# Allegro board RK_EVB1_RK3576_LP4XD200P132SD6_V12_20240530YWQ.brd (continued)
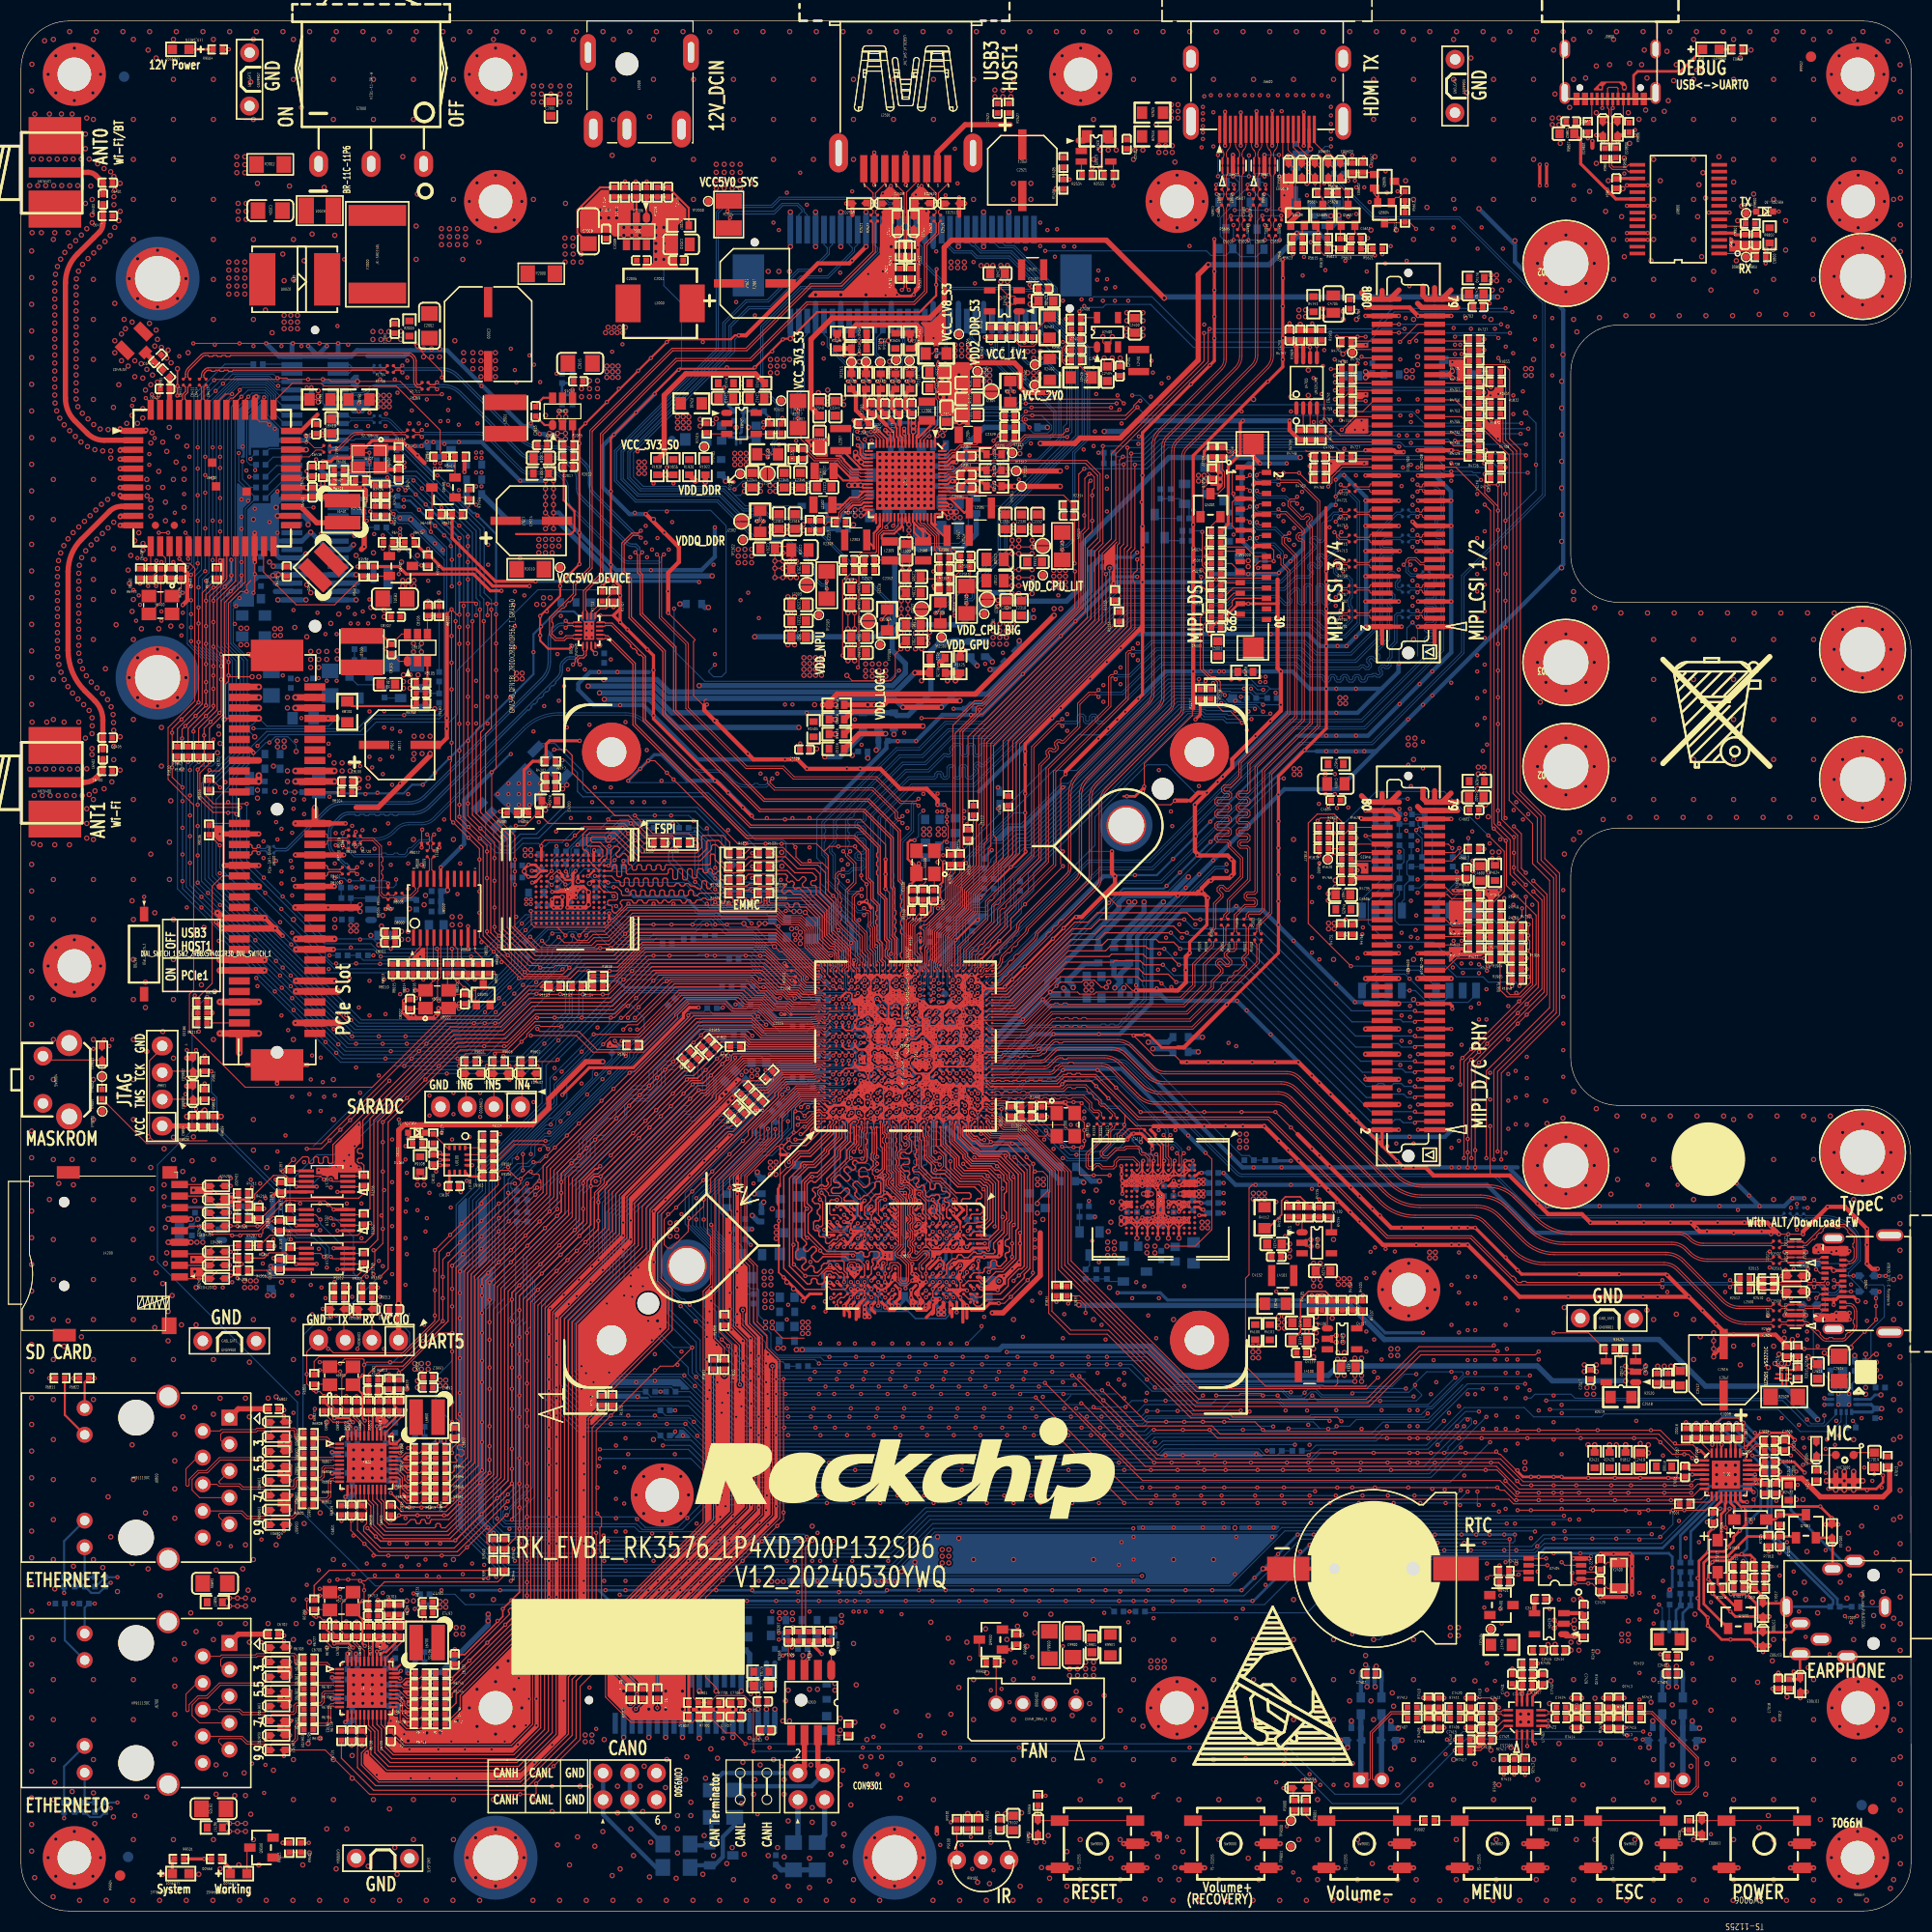
[diagram p0: board, top side]
## Nets (continued)
WIFI_PCIE0_REFCLKN: C6417.2 R1714.2
WIFI_PCIE0_REFCLKP: C6416.2 R1716.2
WIFI_PCIE0_RXN: C6412.2 R1709.2
WIFI_PCIE0_RXP: C6411.2 R1711.2
WIFI_PCIE0_TXN: C6414.2 R1706.2
WIFI_PCIE0_TXP: C6413.2 R1704.2
WIFI_REG_ON_H: R1818.2 R6521.1 U6400.15(WL_REG_ON)
WIFI_WAKE_HOST_H: R1118.2 R6519.1 U6400.16(WL_HOST_WAKE)
WIFIBT_32KIN_2T2R: C6421.1 R6403.2 R6405.2 R6406.1 U6400.31(LPO)
XIN_24M: C1101.1 R1101.2 U1000.U28(OSC_XIN) Y1100.3(X2)
XIN_WIFI: C6408.1 U6400.13(XTAL_IN) Y6400.3(X2)
XOUT_24M: R1100.2 R1101.1 U1000.U29(OSC_XOUT)
XOUT_WIFI: R6400.2 U6400.14(XTAL_OUT)
ZQ_A: R1200.2 U1000.1R6(ZQ_A)
ZQ_B: R1201.1 U1000.1J6(ZQ_B)
N15661080: C2361.2 D2301.2(K) R2330.1
N15663308: TP2318.1 U2300.16((PWRCTRL3)SO)
N16483578: C7400.2 R7401.1
N16483700: C7404.2 R7402.1
N16485789: C7407.2 R7403.1
N16485911: C7411.2 R7404.1
N16706184: C5003.1 C5004.1 Q5000.3(DRAIN) R5019.1
N16706292: C5007.2 Q5000.1(GATE) R5020.2 R5023.1
N16706432: Q5002.3(COLLECTOR) R5023.2
N16706484: Q5002.1(BASE) R5025.2 R5027.1
N17044498: ANT6401.1(ANT) C6401.1 C6403.1
N17044505: C6403.2 C6410.1 U6400.2(WL_BT_ANT0)
N17060459: J9800.A5(CC1) R9806.2
N17060477: J9800.B5(CC2) R9807.2
N17371483: LED9800.2(CATHODE) R9803.1
N17371563: D9800.1(A) R9800.2 TP9801.1 U9800.5(RXD)
N17371607: R9801.2 TP9800.1 U9800.1(TXD)
N18403355: D5601.2(K) R5614.1 R5620.1
N18403356: Q5605.2(SOURCE) R5613.2 R5615.2
N18403367: C5611.2 Q5607.2(SOURCE) R5619.2 R5621.2
N18403519: Q5608.2(SOURCE) R5622.2 R5623.2
N18403564: C5611.1 Q5607.1(GATE) R5618.2
N18403582: Q5606.1(GATE) R5616.1 R5617.1
N18403585: Q5604.1(GATE) Q5606.3(DRAIN) R5612.2
N18428860: Q5600.3(DRAIN) R5600.2 R5601.2
N18429284: Q5601.3(DRAIN) R5602.2 R5603.2
N18429290: Q5602.3(DRAIN) R5604.2 R5605.2
N18429296: Q5603.3(DRAIN) R5606.2 R5607.2
N18483700: L6401.1 U6400.28(ASR_VLX)
N18483702: C6420.1 L6401.2 U6400.29(ABUCK_1P12)
N18483764: ANT6402.1(ANT) C6404.1 C6406.1
N18483767: C6406.2 C6407.1 U6400.48(BT_ANT)
N18483775: C6402.2 C6405.2 U6400.9(WL_ANT1)
N18483793: C6409.1 R6400.1 Y6400.1(X1)
N18483810: L6400.2 U6400.26(CSR_VLX)
N18483812: C6415.1 L6400.1 U6400.25(CBUCK_0P9)
N18669719: C7015.1 R7007.2 R7008.1
N18671983: ED7003.1 J7000.6(DETB) R7012.2
N19347246: C1100.1 R1100.1 Y1100.1(X1)
N19625788: R1353.1 U1000.1B21(I3C1_SDA_PU_M1 | --         | SPI0_CLK_M1  | I2C5_SCL_M0 | --            | UART5_TX_M2 | TEST_CLK_OUT | SAI3_SCLK_M3 | --            | FSPI1_CLK_M0  | SDMMC0_CLK | GPIO2_A5_D)
N19625800: R1310.1 U1000.1G23(PWM2_CH7_M1 | --         | --            | --            | PDM0_CLK0_M1 | SAI0_SDI1_M2 | SAI0_SDO3_M2 | FSPI0_CLK  | EMMC_CLK  | GPIO1_B1_D)
N19628194: R1911.1 U1000.1D18(PWM2_CH6_M2 | I3C1_SDA_PU_M0  | --               | --            | UART9_RTSN_M0  | SPDIF_RX0_M2 | SAI3_MCLK_M2 | ETH0_MCLK_M1        | ETH_CLK1_25M_OUT_M0 | CAM_CLK1_OUT_M1      | GPIO2_D6_D)
N19628195: R1949.1 U1000.1E15(PWM2_CH7_M2 | --              | --               | SPI3_CSN1_M0  | UART9_CTSN_M0  | SPDIF_TX0_M2 | SAI0_SDO3_M0 | ETH_CLK0_25M_OUT_M1 | ETH1_MCLK_M0        | CAM_CLK2_OUT_M1      | GPIO2_D7_D)
N19628229: R1951.1 U1000.1E7(PWM2_CH7_M3 | --             | SPI3_CSN1_M1   | UART5_RTSN_M0  | FLEXBUS1_CSN_M1 | FLEXBUS1_D12_M0 | FLEXBUS0_D15_M0 | DSMC_RESETN | SAI4_SCLK_M1 | CAM_CLK0_OUT_M0     | VO_EBC_SDOE   | VO_LCDC_CLK   | GPIO3_D7_D)
N19628230: R1952.1 U1000.1B12(MIPI_TE_M2  | I2C7_SCL_M2    | SPI1_CSN1_M2   | UART3_TX_M1    | FLEXBUS1_CSN_M3 | FLEXBUS1_D14_M0 | FLEXBUS0_D13_M0 | DSMC_INT0   | SAI4_LRCK_M1 | CAM_CLK1_OUT_M0     | SPDIF_RX0_M1  | --            | GPIO4_A0_D)
N19628231: R1953.1 U1000.1B7(--          | I2C7_SDA_M2    | --             | UART3_RX_M1    | FLEXBUS0_CSN_M1 | FLEXBUS1_D13_M0 | FLEXBUS0_D14_M0 | DSMC_INT2   | SAI4_SDO_M1  | CAM_CLK2_OUT_M0     | SPDIF_TX0_M1  | VO_POST_EMPTY | GPIO4_A1_D)
N19907553: R2412.2 R2414.1 U2403.4(EN)
N19907557: R2415.1 U2403.3(OCB)
N20226536: IR9100.1(IR) R9100.2 R9101.2
N20896547: R8035.2 R8036.1 U8001.3(EN)
N20896553: C8009.1 U8001.4(BP)
N21004058: C1301.1 R1300.2 Y1300.1(X1)
N21504287: ANT6400.1(ANT) C6400.2 C6402.1
N21605064: LED9500.2(CATHODE) Q9500.3(COLLECTOR)
N21735609: C2522.1 R2525.2 R2526.1 R2528.2 U2503.5(IN)
N21735612: R2534.1 U2503.3(OCB)
N21756849: C2004.1 R2001.2
N21863806: LED9500.1(ANODE) R9500.2
N21902615: R3802.2 U3800.A5(ZQ0)
N21902619: R3804.2 U3800.A8(ZQ1)
N21903225: R4004.2 R4005.1 U4000.H5(DATA STROBE)
N22358067: C2420.2 U2405.1(OSCI) Y2400.1
N22358147: C2422.2 U2405.2(OSCO) Y2400.2
N22363373: D2400.1(A1) J2400.1
N22367430: R2524.1 U2502.3(OCB)
N22367501: L2500.4 R2510.1 R2512.2
N22367504: L2500.2 R2513.2 R2516.1
N22367533: L2501.2 R2529.1 R2530.2
N22367536: L2501.4 R2531.2 R2532.1
N22367651: C2503.1 C2504.1 R2501.2 U2500.12(VCONN_12) U2500.13(VCONN_13)
N22631222: C4121.1 U4100.A9(VDDI)
N22631304: C4122.1 U4100.A3(VDDIQ)
N22631340: C4123.1 U4100.A8(VDDIQ2)
N22847211: C6702.1 J6700.1(TCT)
N22847339: J6700.12(G-) R6711.2
N22847343: J6700.14(Y+) R6712.2 R6714.2
N22847361: J6700.13(Y-) R6715.2 R6716.2
N22908541: C6802.1 J6800.1(TCT)
N22908545: J6800.12(G-) R6811.2
N22908547: J6800.14(Y+) R6812.2 R6814.2
N22908550: J6800.13(Y-) R6815.2 R6816.2
N23443278: C7012.2 Q7000.3(DRAIN) R7006.1
N23443310: C7016.1 Q7000.1(GATE) Q7001.1(GATE) R7010.2
N23443315: C7013.2 Q7001.3(DRAIN) R7005.1
N23447614: R7001.2 U7000.8(ASDOUT)
N24505996: R2002.1 S2000.3(P3)
N25539706: C9307.1 R9308.2 U9300.4(RXD)
N25926738: L2401.1 U2401.3(LX)
N25926882: C2409.1 R2406.2 U2401.1(EN)
N25926888: C2402.2 R2403.2 R2407.1 U2401.5(FB/OUT)
N26170680: CON4700.45(MIPI_RX0_I2C_SDA/SPI0_MOSI) R4728.2
N26170681: CON4700.47(MIPI_RX0_I2C_SCL/SPI0_SCLK) R4729.2
N26170683: CON4700.51(MIPI_RX0_PDN0/MIPI_RX_INT) R4730.2
N26170688: C4702.1 C4703.1 CON4700.77(5V_0) CON4700.79(5V_1) R4740.2
N26170689: CON4700.65(MIPI_RX0_PWREN) R4734.2
N26170694: CON4700.67(IRCUT_A0/SAI_SDI2) R4736.2
N26170696: CON4700.69(IRCUT_B0/SAI_SDI1) R4737.2
N26170702: C4700.1 C4701.1 CON4700.61(1.8V) R4738.2
N26170709: C4706.1 C4707.1 CON4700.62(3.3V) R4739.1
N26170720: C4704.1 C4705.1 CON4700.80(12V) R4741.1
N26170731: CON4700.55(MIPI_RX0_PDN1/HOTPLUG_DET) R4732.2
N26170771: CON4700.52(MIPI_RX1_PDN0) R4731.1
N26170778: CON4700.66(MIPI_RX1_PWREN) R4735.1
N26170844: CON4700.41(MIPI_RX0_MCLK1) R4726.2
N26174755: CON4700.42(MIPI_RX1_MCLK1) R4727.1
N26174908: CON4700.56(MIPI_RX1_PDN1) R4733.1
N27106033: R1712.2 U1700.7(/OE)
N27236900: CON4600.45(MIPI_RX0_I2C_SDA/SPI0_MOSI) R4611.2
N27236901: CON4600.47(MIPI_RX0_I2C_SCL/SPI0_SCLK) R4612.2
N27236903: CON4600.51(MIPI_RX0_PDN0/MIPI_RX_INT) R4613.2
N27236908: C4602.1 C4603.1 CON4600.77(5V_0) CON4600.79(5V_1) R4626.2
N27236909: CON4600.65(MIPI_RX0_PWREN) R4617.2
N27236910: CON4600.57(MIPI_RX0_XVS/FSIN/SPI0_CSN) R4614.2 R4615.2
N27236914: CON4600.67(IRCUT_A0/SAI_SDI2) R4618.2
N27236916: CON4600.69(IRCUT_B0/SAI_SDI1) R4619.2
N27236922: C4600.1 C4601.1 CON4600.61(1.8V) R4624.2
N27236930: C4606.1 C4607.1 CON4600.62(3.3V) R4625.1
N27236940: C4604.1 C4605.1 CON4600.80(12V) R4627.1
N27236955: CON4600.59(MIPI_RX0_XHS/VSYNC/SPI0_MISO) R4616.2
N27729459: C8112.1 C8113.1 Q8100.3(DRAIN) R8112.1
N27729467: C8110.2 Q8100.1(GATE) R8113.2 R8115.1
N27729468: R8111.2 U8100.B31(PRSNT2#_2)
N27729484: Q8101.1(BASE) R8117.2 R8118.1
N27729517: C8103.2 L8100.1 U8101.6(SW)
N27729534: C8103.1 U8101.1(BOOT)
N27729543: C8106.1 R8102.2 U8101.4(EN)
N27729546: C8104.2 R8101.2 R8105.1 U8101.3(FB)
N27738708: Q8101.3(COLLECTOR) R8115.2
N28024952: R9000.2 SW9000.2 SW9000.3 TP9000.1
N28024963: ED9002.1 R9005.2 SW9005.2 SW9005.3
N28024980: ED9003.1 R9006.2 SW9006.2 SW9006.3
N28024997: R9001.2 R9002.1 SW9001.2 SW9001.3
N28025008: R9002.2 R9003.1 SW9002.2 SW9002.3
N28025020: R9003.2 SW9003.2 SW9003.3
N28025034: ED9001.1 R9004.2 SW9004.1 TP9002.1
N28026868: C7019.1 MIC7000.1(VDD) R7013.2
N28185504: L2400.1 U2400.3(LX)
N28185677: C2408.1 R2405.2 U2400.1(EN)
N28185687: C2403.2 R2404.2 R2408.1 U2400.5(FB/OUT)
N28229320: C2005.2 L2000.1 U2000.5(SW)
N28229378: C2005.1 U2000.6(BOOT)
N28229495: C2012.1 R2005.2 R2008.1 U2000.2(EN)
N28229497: C2006.2 R2006.2 R2009.1 U2000.1(FB)
N28240818: C2013.1 L2001.1 U2001.6(SW)
N28240876: C2013.2 U2001.1(BOOT)
N28241009: C2020.1 R2011.2 R2014.1 R2016.2 U2001.4(EN)
N28241013: C2017.2 R2012.2 R2015.1 U2001.3(FB)
N28249989: CON9900.4(3V3) R9900.2
N28250025: C9900.1 C9901.1 F9900.1 R9901.2
N28250035: CON9900.2(RX) F9900.2
N28324558: R4203.1 U4200.3(OCB)
N29370316: CON9304.2 ED9303.1 R9313.2
N29370353: CON9304.3 ED9302.1 R9314.2
N29404220: Q9500.1(BASE) R9502.2 R9503.1
N29548779: C2515.1 R2515.1 R2518.1 U2501.C1(OVLO)
N29652995: C9103.1 U9100.11(REGOUT)
N29797152: R4100.2 R4101.2 R4102.1
N29797202: L4100.1 U4101.3(LX)
N29797204: C4117.1 C4118.1 C4119.1 L4100.2 R4101.1 R4103.1 R4104.1
N29797351: R4105.2 R4106.1 U4101.1(EN)
N29797357: C4117.2 R4103.2 R4104.2 R4107.1 U4101.5(FB/OUT)
N29797482: L4101.1 U4102.3(LX)
N29797633: C4130.2 R4113.2 R4114.1 U4102.5(FB/OUT)
N29801091: C4125.2 Q4100.1(GATE) R4109.2 R4110.1
N29801183: Q4101.3(COLLECTOR) R4110.2
N29801225: C4128.1 Q4101.1(BASE) R4111.2
N29873292: R4201.2 R4202.1 U4200.4(EN)
N29928807: R6401.2 U6400.19(BT_PCM_OUT)
N30210978: R1839.1 R1840.1 R1841.1 SW1800.8(B1)
N30211043: R1843.1 R1844.1 R1847.1 SW1800.6(B3)
N30211111: R1849.1 R1850.1 R1852.1 SW1800.5(B4)
N30279606: C3845.1 Q3800.1(GATE) R3810.2 R3811.1
N30279662: Q3801.3(DRAIN) R3811.2
N30315765: C8002.1 U8000.5(X1) Y8000.1(X1)
N30315801: C8003.1 R8019.1 Y8000.3(X2)
N30315805: R8019.2 U8000.6(X2)
N30315903: R8029.1 U8000.10(IREF)
N30317722: Q8000.3(DRAIN) R8028.2
N30401664: ED9300.1 R9301.2 R9315.1
N30401678: ED9300.2 R9302.2 R9316.1
N30528799: LED9501.1(ANODE) R9501.2
N30581382: C2416.1 R2418.2 U2404.3(EN)
N30581388: C2417.1 U2404.4(BP)
N30718271: CON4600.73(AF_SPI_MOSI/SAI_LRCK) R4622.2
N30718340: CON4600.70(SAI_MCLK) R4620.1
N30718343: CON4600.72(AF_SPI_CSN/SAI_SCLK) R4621.1
N30718350: CON4600.74(AF_SPI_MISO/SAI_SDI0/SPDIF_RX) R4623.1 R4628.1
N31011189: C6506.1 C6507.1 CON6500.3(3V3_1) CON6500.5(3V3_2) R6511.1 R6512.1
N31011623: C6504.1 C6505.1 CON6500.4(12V_1) CON6500.6(12V_2) R6510.2
N31051397: CON6500.57(SOC_PCM_IN) R6500.1
N31339553: R2411.2 R2413.1 R2416.2 U2402.B2(ON)
N31344489: FB7400.1 U7400.8(OUTN)
N31344544: C7401.2 U7400.2(VREF)
N31344597: C7403.1 R7401.2 U7400.3(INN)
N31344662: C7403.2 R7402.2 U7400.4(INP)
N31344668: FB7401.1 U7400.5(OUTP)
N31367008: C7410.1 R7403.2 U7401.3(INN)
N31367020: C7410.2 R7404.2 U7401.4(INP)
N31367085: FB7402.1 U7401.8(OUTN)
N31367111: C7408.2 U7401.2(VREF)
N31367151: FB7403.1 U7401.5(OUTP)
N31432371: R6407.2 Y6401.1(ON/OFF)
N31479995: C7416.1 R7406.2 R7407.1 R7408.1
N31480252: C7420.2 R7410.2 R7411.2 R7412.1
N31480374: R7413.2 U7402.2(PDM_DATA)
N31480386: C7426.1 R7414.2 R7415.1 R7416.1
N31480494: C7427.1 R7417.2 U7402.16(I2C_CCLK)
N31480503: C7428.1 R7418.2 U7402.15(I2C_CDATA)
N31480515: C7432.1 U7402.9(REFP)
N31480569: C7431.1 U7402.12(REFQ)
N31480684: C7430.2 R7419.2 R7420.2 R7421.1
N31701621: CON4600.68(SPDIF_TX/SAI_SDI3) TP4600.1
N31701650: CON4700.68(SPDIF_TX/SAI_SDI3) TP4700.1
N32472831: CON9301.3 R9307.1
N32472833: C9305.1 R9307.2 R9309.2
N32472886: CON9301.1 R9309.1
N33117735: D9100.2(K) R9109.2 R9110.2 U9100.4(INT1)
N33161409: C4710.1 R4767.2 U4700.7(VREF2) U4700.8(EN)
N33161501: R4768.2 U4700.2(VREF1)
N33161928: Q5001.1(BASE) R5022.2 R5026.1
N33164794: Q6400.1(BASE) R6411.2 R6416.1
N33165565: Q6401.1(BASE) R6412.2 R6417.1
N33187423: LED9502.1(ANODE) R9504.2
N34130663: Q9900.3(DRAIN) R9900.1
N35260673: R4115.2 R4116.1 U4102.1(EN)
N68738598: R9310.1 U9300.8(STB)
N68738630: C9308.1 R9306.2 U9300.1(TXD)

Pads without a net: CON4600 4 6 10 12 16 18 22 24 28 30 33 34 35 36 40 41 42 46 48 49 50 53 54 55 56 58 60 63 64 71; CON4700 49 50 53 54 63 64; CON6500 10 12 13 16 17 19 27; CON7700 12 13 14 17 18 21 22 25 26 39 40; CON9700 56 58 60; CON9900 3; J9800 29 30 A8 B8; M9900 1; M9901 1; M9902 1; M9903 1; M9904 1; M9905 1; SW1800 2 7; SW1801 2 7; U1000 1AA5 1AA6 1D4 1E4 1G4 1G5 1H5 1R5 1V4 1V5 2F10; U1700 3 12; U2300 2 3 38 48; U3800 A1 A2 A11 A12 AA1 AA12 AB1 AB2 AB11 AB12 B1 B12 G11 K5 K8 N5 N8; U4000 A2 A7 A8 A9 A10 A11 A12 A13 A14 B1 B7 B8 B9 B10 B11 B12 B13 B14 C1 C3 C7 C8 C9 C10 C11 C12 C13 C14 D1 D2 D3 D4 D12 D13 D14 E1 E2 E3 E5 E8 E9 E10 E12 E13 E14 F1 F2 F3 F10 F12 F13 F14 G1 G2 G3 G10 G12 G13 G14 H1 H2 H3 H12 H13 H14 J1 J2 J3 J12 J13 J14 K1 K2 K3 K6 K7 K10 K12 K13 K14 L1 L2 L3 L12 L13 L14 M1 M2 M3 M7 M8 M9 M10 M11 M12 M13 M14 N1 N3 N6 N7 N8 N9 N10 N11 N12 N13 N14 P1 P2 P7 P8 P9 P10 P11 P12 P13 P14; U4100 A1 A2 A10 A11 A12 A13 A14 B1 B3 B10 B13 B14 C10 C13 C14 D4 E6 E7 E9 E10 E13 E14 F10 G5 G13 G14 J10 J13 J14 K9 K10 L13 L14 M6 M7 M8 M9 M10 M11 N1 N6 N7 N10 N13 N14 P1 P2 P3 P6 P7 P10 P13 P14; U6400 17 18 51 52; U7000 9 25; U8000 11 12 13 14; U8100 A5 A6 A7 A8 A19 A21 A22 A25 A26 A29 A30 A32 B5 B6 B9 B19 B20 B23 B24 B27 B28 B30; U9100 2 3 9 10; U9800 2 3 6 8 9 10 11 12 13 14 19 22 23 24 27 28

## Via types
v1: diameter 0.4, hole 0.2, TOP to BOTTOM, 5227 vias
v2: diameter 0.5, hole 0.3, TOP to BOTTOM, 3218 vias

## Routing (per net, layer and track width the routed paths; a pad name or vN(x,y) marks a point on that pad's centre or on a via; arc(x,y) is an arc through that point)
GND: length 13601.4
  TOP w0.089: 89.7,102.31 89.7,101.29 89.85,101.14 89.85,100.01 90.01,99.85 v1(90.01,99.8) ; v1(87.92,99.89) 87.8,99.89 87.42,100.28 87.42,100.54 Y1100.2 87.86,101.85 87.86,101.95 88.06,101.95 88.31,102.2 ; 74.85,89.01 v1(74.85,88.82) ; U1000.AJ29 91.39,89.97 91.11,89.69 91.11,89.24 91.49,89.24 91.67,89.42 91.67,89.63 91.83,89.79 92.11,89.79 92.4,90.07 U1000.AL29 ; 91.73,59.19 91.81,59.27 ; v1(79.74,75.47) 79.74,75.07 79.56,74.89 79.56,74.11 ; 100.9,77.03 100.89,77.04 100.25,77.04 v1(100.24,77.03) v1(99.48,77.03) ; 85.13,66.37 85.22,66.28 U3800.K2 ; 85.13,66.37 84.95,66.54 ; 85.13,66.37 85.13,66.21 ; v1(80.53,97.78) 80.53,97.51 80.56,97.48 80.56,96.22 v1(80.53,96.19) ; U1000.1AA24 88.92,89.09 88.92,90.5 ; 77.92,74.11 77.92,75.45 v1(77.94,75.47) ; U1000.2T11 U1000.2U11 ; 78.74,74.11 78.74,75.07 U1000.1D1 ; 171.62,56.33 171.81,56.52 J2500.A1 ; 79.64,89.16 79.57,89.22 79.57,89.61 79.29,89.9 U1000.G29 ; 83.43,64.84 83.27,64.68 U3800.N4 ; 75.79,77.09 75.83,77.14 76.1,77.14 76.37,76.87 U1000.B5 ; U1000.2P12 U1000.2R12 ; 88.18,104.59 v1(88.18,104.21) ; 82.42,87.14 81.87,87.14 ; v1(88.41,98.33) 88.41,98.34 88.96,98.9 88.96,101.42 ; 93.77,75.35 93.37,75.74 93.37,76.38 v1(93.38,76.39) ; U1000.2J5 U1000.2H5
  TOP w0.102: v2(73.47,135.77) 73.68,135.56 C2346.2 ; 91.12,75.58 91.12,76.04 v1(91.14,76.07) ; 91.12,75.58 91.12,75.31 ; 91.12,75.58 90.98,75.44 ; 84.35,66.09 84.35,65.71 84.24,65.6 ; 84.35,66.09 84.24,66.19 ; 84.35,66.09 84.48,65.96 84.48,65.81 84.24,65.58 ; 93.77,75.35 93.89,75.22 95.48,75.22 96.91,73.8 97.56,73.8 97.79,74.03 ; 84.43,67.7 84.43,67.51 ; 84.43,67.7 84.37,67.64 84.24,67.64 ; 84.43,67.7 84.3,67.82 84.3,68.28 v1(84.2,68.39) ; 84.43,67.51 84.43,67.44 84.24,67.26 ; 84.43,67.51 84.24,67.51 ; 76.77,75.49 75.53,75.49 74.73,74.69 v1(74.61,74.69) 74.41,74.69 73.86,74.14 v1(73.59,74.14) ; v1(109.56,88) 109.56,88 109.9,87.67 ; 76.49,68.77 76.08,68.77 75.89,68.58 75.89,68.24 76.09,68.04 v1(76.09,67.75) ; 76.49,68.77 76.76,68.77 77.14,69.15 77.14,69.75 79.04,71.65 v1(79.04,71.7) ; 76.49,68.77 76.89,68.37 76.89,68.23 76.99,68.13 77.91,68.13 78.16,67.87 78.16,67.52 ; v2(152.82,51.25) 153.67,51.25 U2502.2 ; C2401.2 93.95,156.2 v2(93.95,156.71) ; C2401.2 93.31,155.57 v2(93.31,155.19) 93.31,154.55 v2(94.08,153.79) 94.61,153.79 U2401.2 94.74,153.03 v2(94.08,153.03) ; C2401.2 93.95,155.71 v2(93.95,155.19) ; C2401.2 93.31,156.35 v2(93.31,156.71) ; 83.86,62.68 83.86,62.59 83.98,62.47 ; 83.86,62.68 84.04,62.68 84.13,62.77 ; 83.86,62.68 83.86,62.73 83.96,62.83 ; 74.08,131.63 74.34,131.63 v2(74.49,131.48) ; 74.08,131.63 C2316.2 ; 74.08,131.63 v2(74.49,132.04) ; v1(79.06,92.2) 79.05,92.2 77.86,93.39 v1(77.86,93.41) 77.84,93.41 77.6,93.65 77.6,96.42 v1(77.34,96.68) 76.88,97.15 76.88,99.26 ; v2(74.99,135.77) 74.44,135.77 C2346.2 ; v1(159.07,39.83) v1(156.5,39.83) v1(153.08,39.83) v1(151.41,39.83) v1(148.38,39.83) v1(146.73,39.83) v1(145.96,39.83) v1(144.54,39.83) 142.74,39.83 142.7,39.87 142.55,39.87 v1(142.51,39.83) v1(141.38,40.97) 141.37,40.98 141.37,41.21 140.57,42 v1(139.49,42) v1(130.47,42) v1(127.55,42) v1(125.39,42) v1(122.72,42) v1(120.18,42) v1(117.77,42) v1(114.72,42) v1(112.69,42) v1(110.15,42) v1(107.61,42) 106.19,42 100.75,47.44 ; C7019.2 v1(176.51,41.6) ; C2400.2 105.7,150.69 v2(105.32,150.69) ; C2400.2 106.34,150.06 v2(106.85,150.06) ; C2400.2 106.48,150.69 v2(106.85,150.69) ; C2400.2 105.84,150.06 v2(105.32,150.06) ; v1(106.6,143.83) 106.45,143.83 105.98,143.36 105.98,143.21 105.2,142.44 v1(96.31,142.44) 95.58,142.44 95.34,142.2 95.34,141.91 95.55,141.7 95.64,141.7 v1(96.05,141.3) ; v1(84.2,68.39) 84.01,68.2 83.92,68.2 ; v1(84.2,68.39) 84.06,68.52 83.6,68.52 ; U2001.2 51.86,141.24 v2(51.86,140.73) ; U2001.2 51.25,141.85 v2(51.25,142.31) v2(51.25,142.85) ; U2001.2 51.88,141.82 v2(51.88,142.31) v2(51.88,142.85) ; C2315.2 72.53,131.27 v2(72.96,131.27) ; C2315.2 71.82,131.27 v2(71.41,131.27) ; C2315.2 71.97,131.83 v2(71.41,131.83) ; C2315.2 72.38,131.83 v2(72.96,131.83) ; v2(75.3,139.26) 75.89,139.26 75.99,139.36 ; v1(85.77,113.61) 89.16,113.61 90.81,115.26 91.5,115.26 100.37,124.13 v1(100.37,127.58) ; C4129.2 123.1,60.76 v2(123.1,60.14) v2(123.1,59.51) ; C4129.2 123.74,61.39 v2(123.74,61.69) ; C4129.2 123.1,61.15 v2(123.1,61.69) ; C4129.2 123.74,60.51 v2(123.74,60.14) v2(123.74,59.51) ; 65.83,95.78 65.83,95.8 v1(66.11,96.08) 66.42,95.78 ; 65.83,95.78 65.47,95.78 ; 65.83,95.78 66.42,95.78 ; v1(23.66,141.55) 23.39,141.82 22.76,141.82 22.25,142.33 U6400.39 ; CON5000.13 115.75,131.5 115.36,131.9 115.36,134.18 115.68,134.5 ; 95.98,125.47 C2310.2 95.29,125.2 v2(95.02,125.47) ; 95.98,125.47 v2(96.29,125.47) ; 95.98,125.47 v2(95.02,125.47) ; 106.97,106.68 106.97,106.94 ; 84.24,67.51 84.24,67.64 ; 84.24,67.51 84.24,67.26 ; 84.24,67.64 84.24,67.88 83.92,68.2 ; v1(85.54,67.63) 85.19,67.98 ; v1(85.54,67.63) 85.09,67.17 ; v1(85.54,67.63) 85.4,67.63 ; 85.19,67.98 85.19,68.27 ; 85.19,67.98 85.15,67.94 85.09,67.94 ; v2(21.38,7.58) v2(20.61,7.58) v2(19.85,7.58) 19.55,7.58 R6717.1 19.58,8.34 v2(19.85,8.34) v2(20.61,8.34) v2(21.38,8.34) ; v2(150.03,52.01) 149.94,52.01 C2517.2 ; 84.24,62.21 84.79,61.67 84.87,61.67 v1(84.89,61.64) ; 84.24,62.21 84.13,62.32 ; 84.24,62.21 84.24,62.79 ; v1(82.33,97.35) 82.72,96.97 82.72,92.69 82.93,92.49 82.93,91.22 v1(82.86,91.15) ; v2(73.47,135.21) 73.88,135.21 C2346.2 ; ED4205.2 v1(19.96,62.78) ; 85.51,60.52 85.36,60.37 U3800.K9 ; 85.51,60.52 85.51,59.98 ; 85.51,60.52 85.26,60.78 84.97,60.78 v1(84.89,60.69) ; 91.67,77.14 94,77.14 94.12,77.02 96.68,77.02 v1(96.72,77.07) ; v1(84.55,94.69) 84.55,94.61 84.32,94.38 84.32,90.14 U1000.T29 ; 139.4,136.17 v1(139.4,136.85) ; 139.4,136.17 139.4,135.03 140.67,133.77 ; 139.4,136.17 139.74,135.83 v1(140.67,135.83) 140.67,133.77 ; 82.14,75.33 82.14,75.05 82.06,74.98 82.06,74.07 82.23,73.89 82.23,73.75 82.06,73.58 82.06,73.22 82.23,73.05 82.23,70.63 82.06,70.46 ; 82.14,75.33 82.25,75.44 82.72,75.44 82.74,75.47 82.74,74.91 82.87,74.78 82.87,74.51 ; 82.14,75.33 82.14,75.46 82.14,75.47 ; U1000.2L5 86.82,81.42 86.22,81.42 U1000.2K5 ; C2346.2 74.58,135.21 v2(74.99,135.21) ; C2314.2 71.8,129.72 v2(71.8,128.57) ; C2314.2 72.04,129.97 72.98,129.97 73.34,129.61 C2318.2 73.36,129.59 ; C2314.2 72.22,129.33 v2(72.56,129.33) ; 80.47,75.46 80.35,75.34 ; 80.47,75.46 80.46,75.46 80.34,75.58 80.23,75.47 80.22,75.47 ; 80.47,75.46 80.94,75.46 v1(80.94,75.47) ; 80.35,75.34 80.35,74.28 80.25,74.18 80.25,72.51 80.35,72.41 80.35,71.82 80.18,71.65 v1(80.11,71.65) 80.06,71.7 v1(79.04,71.7) ; 80.35,75.34 80.22,75.47 ; C1304.2 96.51,75.65 96.7,75.84 ; v2(103.04,149.93) 103.04,149.39 U2400.2 103.8,149.27 103.8,149.8 v2(103.93,149.93) ; C2304.2 84.28,125.67 84.47,125.86 v2(84.47,126.31) ; C2304.2 84.28,125.42 84.47,125.23 v2(84.47,124.78) v2(84.47,124.02) v2(84.47,123.26) 84.47,122.69 C2302.2 ; C2304.2 84.16,125.55 ; 105.18,88.34 105.85,87.67 v1(106.2,87.67) 106.2,87.62 106.1,87.51 102.4,87.51 102.21,87.32 100.82,87.32 100.62,87.51 v1(98.02,87.51) ; v2(104.69,147.9) 104.69,147.16 C2405.2 ; v2(73.68,125.16) 73.68,124.72 C2320.2 73.04,124.72 v2(73.04,125.16) ; v1(40.09,146.05) 40.09,146.59 37.38,149.3 v1(30.21,149.3) v1(28.43,149.3) v1(25.89,149.3) v1(23.35,149.3) v1(20.81,149.3) v1(16.41,149.3) ; 147.52,27.36 147.6,27.36 v2(147.94,27.7) ; 147.52,27.36 v2(147.94,26.94) ; 147.52,27.36 U2404.2 146.46,27.36 ; 74.59,54.55 72.53,54.55 v2(71.54,55.54) ; ED4204.2 v1(19.96,65.24) v1(21.25,65.24) 22.79,65.24 25.19,67.64 25.31,67.64 25.35,67.67 26.04,67.67 26.08,67.64 28.95,67.64 v1(29.78,66.8) ; 85.09,67.17 84.91,67 84.91,66.58 ; 85.09,67.17 85.09,67.38 ; C2331.2 94.1,131.26 94.4,131.26 v2(94.53,131.39) 95.07,131.39 C2330.2 ; 84.24,65.6 84.24,66.19 ; 84.24,65.6 84.24,65.58 ; 62.55,101.12 v1(60.24,101.12) 59.35,101.12 v1(58.5,101.97) v1(57.29,103.17) 57.21,103.25 53.62,103.25 v1(53.43,103.07) 52.35,101.99 49.89,101.99 49.55,101.65 v1(49.55,101.42) ; 62.55,101.12 62.21,101.47 62.21,101.93 61.95,102.19 59.47,102.19 58.87,102.79 v1(58.84,102.79) 58.84,102.81 v1(58.07,103.59) 57.83,103.82 56.06,103.82 v1(55.92,103.96) ; 62.55,101.12 62.6,101.07 64.32,101.07 64.53,101.27 64.53,101.7 v1(64.15,102.08) 63.62,102.61 60.19,102.61 v1(59.22,103.58) v1(58.46,104.34) ; 85.58,68.65 85.26,68.65 85.24,68.67 85.19,68.62 85.19,68.27 ; v2(21.38,29.04) v2(20.61,29.04) v2(19.85,29.04) 19.55,29.04 R6817.1 19.58,29.81 v2(19.85,29.81) v2(20.61,29.81) v2(21.38,29.81) ; v1(28.45,51.51) 29.09,51.51 Y6800.4 ; 84.2,62.74 84.24,62.79 ; 84.2,62.74 84.2,62.76 ; 84.2,62.74 84.15,62.69 84.15,62.66 84.1,62.61 v1(84.1,62.58) 84.09,62.58 83.98,62.47 ; 84.24,62.79 84.24,62.88 ; 112.94,95.7 104.45,95.7 103.25,96.89 ; v1(117.58,69.16) 117.26,69.16 116.96,68.85 116.96,60.6 116.63,60.27 116.63,51.89 118.53,49.98 125.14,49.98 ; v1(68.01,81.28) 68.01,81.07 65.12,78.18 v1(64.55,78.18) ; v1(71.1,49.24) 70.96,49.1 v1(70.96,46.05) 71.09,45.92 71.09,38.3 v1(70.96,38.17) 70.96,37.6 v1(70.35,36.99) v1(68.55,35.19) v1(66.71,33.35) v1(64.68,31.32) v1(63.79,30.43) v1(61.25,27.89) v1(59.63,26.27) 59.63,23.78 v2(59.8,23.62) v2(59.8,19.22) 60.28,18.74 61.25,18.74 61.4,18.88 v2(61.4,19.22) v2(61.4,20.94) v1(61.4,27.04) v1(67.69,33.34) v1(69.56,35.2) v1(71.15,36.79) 71.91,37.56 v1(71.91,38.55) v1(71.91,45.32) v1(71.91,47.09) v1(71.91,49.24) v1(71.91,50.65) 71.91,52.29 71.54,52.67 71.49,52.67 v1(71.14,53.01) ; v2(51.86,140.73) v2(51.09,140.73) v2(50.33,140.73) ; v2(51.86,140.73) v2(51.86,140.19) v2(51.09,140.19) v2(50.33,140.19) 50.1,139.96 C2019.2 ; 84.15,69.48 v1(84.2,69.48) ; 84.15,69.48 83.97,69.48 83.78,69.67 ; 84.15,69.48 83.99,69.32 ; v1(84.2,69.48) 84.2,69.76 ; v1(84.2,69.48) 83.78,69.9 ; v1(70.96,52.16) v1(70.96,50.36) ; ED4202.2 v1(19.96,67.78) ; v1(71.84,74.47) 71.84,73.68 68.21,70.06 v1(68.21,69.54) 68.21,69.54 v1(68.21,68.27) v1(68.21,66.62) v1(68.21,60.78) v1(68.21,59.38) v1(68.21,56.84) v1(68.21,55.82) v1(69.5,54.54) 69.51,54.53 v1(69.51,53.16) 69.47,53.12 v1(69.47,51.69) v1(69.47,50.49) 69.55,50.41 v1(69.55,48.31) 69.55,46.2 69.51,46.16 v1(69.51,46.03) 69.47,46 69.47,44.07 69.55,43.99 v1(69.55,42.71) v1(69.55,42) v1(69.55,38.68) 69.55,38.33 v1(68.07,36.85) v1(66.41,35.2) v1(64.56,33.34) v1(62.77,31.56) v1(61.77,30.55) v1(60.88,29.67) v1(59.48,28.26) v1(58.47,27.25) 58.46,27.25 v1(57.96,27.75) ; v1(77.34,75.47) 77.34,75.04 77.09,74.79 U1000.C1 ; v1(61.64,123.64) 64.21,121.06 64.05,120.9 64.05,115.77 65,114.82 65.07,114.82 65.07,115.29 65.17,115.39 65.33,115.39 ; 84.37,64.56 84.37,64.18 ; 84.37,64.56 84.27,64.56 84.24,64.59 ; 84.37,64.56 84.48,64.56 ; 84.37,64.18 84.48,64.18 ; 84.37,64.18 84.27,64.18 84.24,64.21 ; 83.96,62.83 84.12,62.83 84.18,62.77 ; 83.96,62.83 84.24,63.12 ; v1(16.42,112.34) 16.42,112.63 v1(17.61,113.82) 18.32,114.52 v1(18.32,114.78) v1(18.32,116.4) v1(18.32,117.67) v1(18.32,118.56) v1(18.32,120.41) v1(18.32,122.75) v1(18.32,124.79) 18.32,125.03 19.41,126.12 v1(19.41,126.13) 20.03,126.75 v1(20.03,127.2) v1(20.03,128.67) ; v1(73.69,86.91) 73.53,87.07 72.97,87.07 72.53,87.51 71.96,87.51 70.75,88.72 v1(70.4,88.72) 69.99,89.12 60.75,89.12 v1(60.23,88.6) v1(57.81,86.19) 57.75,86.13 57.54,86.13 56.5,85.09 v1(56.17,85.09) v1(53.41,85.09) v1(50.82,85.09) 49.18,85.09 v1(49.15,85.06) 48.96,85.06 46.27,82.36 v1(46.01,82.36) v1(44.11,82.36) 41.68,82.36 v1(39.79,80.48) 39.79,80.46 v1(38.52,79.19) v1(36.77,77.44) v1(34.46,75.13) v1(34.46,73.22) v1(34.46,70.43) v1(34.46,64.97) 34.46,63.57 33.82,62.94 v1(33.57,62.94) 33.7,62.81 33.7,61.58 32.43,60.31 23.49,60.31 23.28,60.52 v1(19.98,60.52) 19.69,60.24 ED4207.2 ; U3800.K2 85.44,65.97 85.53,65.88 ; U3800.K2 85.13,66.06 85.13,66.21 84.91,66.43 84.91,66.58 ; U3800.K2 85.31,65.88 85.53,65.88 ; U3800.K2 85.22,65.78 ; 82.87,74.51 82.72,74.37 82.87,74.22 ; 82.87,74.51 82.87,74.47 ; C7008.2 161.97,45.51 v1(161.97,44.39) ; R2315.2 93,140.41 v1(92.62,140.03) ; v1(15.38,107.01) 14.39,108 v1(14.39,108.91) v1(14.39,112.21) 14.39,112.59 v1(15.29,113.48) v1(16.91,115.1) v1(16.91,120.85) v1(16.91,122.63) v1(16.91,124.15) ; v2(84.43,120.21) 84.43,120.66 84.28,120.8 C2303.2 84.11,120.97 83.79,120.65 v2(83.79,120.21) 83.26,119.68 83.26,117.58 82.84,117.17 79.16,117.17 v2(78.65,117.67) ; v2(18.96,111.2) 19.22,110.94 19.22,108.91 18.88,108.57 18.03,108.57 17.36,107.91 17.36,106.45 18.36,105.45 v1(21.5,105.45) ; ED4206.2 v1(19.89,61.51) ; v1(91.1,94.38) 91.26,94.55 91.26,96.38 91.39,96.51 v1(91.39,96.51) 91.39,96.51 92.96,98.09 ; 83.58,65 83.43,64.84 v1(82.94,64.84) ; 83.58,65 83.58,65.28 ; 83.58,65 83.58,64.84 ; v2(94.39,129.91) 94.26,129.91 93.6,129.25 C2308.2 ; v2(94.39,129.91) v2(94.39,130.55) ; v2(94.39,129.91) v2(95.02,129.91) ; v2(73.68,123.64) 73.68,123.19 C2321.2 73.04,123.2 v2(73.04,123.64) ; v1(93.01,59.14) 93.61,59.74 v1(93.61,60.48) 93.58,60.48 93.54,60.52 93.07,60.52 91.81,59.27 ; 86.87,82.67 86.87,82.07 ; ED2514.3 176.15,52.3 176.19,52.27 v2(176.7,52.27) ; ED2514.3 176.41,53.03 v2(176.7,53.03) ; ED2514.3 v2(175.68,53.03) ; ED2514.3 175.68,52.01 176.19,51.51 v2(176.7,51.51) ; v1(89.73,71.16) 90.16,70.74 92.25,70.74 92.85,70.14 93.02,70.14 93.17,69.99 v1(93.17,69.98) 93.38,69.77 93.38,68.91 v1(93.49,68.8) 93.39,68.7 93.39,66.2 v1(93.49,66.1) 93.41,66.02 93.41,64.86 92.15,63.61 92.15,63.18 92.12,63.14 v1(92.12,62.99) ; 85.12,64.82 85.44,64.82 v1(85.54,64.72) 85.54,64.71 85.12,64.71 ; 85.12,64.82 84.91,65.03 84.91,65.33 85.22,65.63 85.22,65.78 ; 85.12,64.82 85.12,64.71 ; 73.47,101.65 v1(72.43,101.65) v1(70.91,101.65) v1(68.95,101.65) 68.26,101.65 v1(62.14,107.77) v1(61.51,108.4) 60.37,109.55 v1(59.73,109.55) v1(58.97,108.78) v1(57.83,107.64) ; 73.47,101.65 73.78,101.34 73.78,101.34 v1(73.76,101.31) 73.78,101.31 73.81,101.29 73.81,100.39 74.37,99.82 76.31,99.82 76.88,99.26 ; 73.47,101.65 75.75,101.65 76.49,100.91 ; 73.24,126.99 v2(73.29,126.99) v2(73.85,126.99) 73.83,127.02 73.83,127.31 C2319.2 ; 73.24,126.99 73.19,127.05 73.19,127.61 73.34,127.76 ; 73.24,126.99 v2(72.56,126.99) ; v1(75.66,90.21) 75.54,90.21 71.69,94.05 v2(70.87,94.05) v2(70.31,94.05) 70.31,93.8 70.21,93.7 69.2,93.7 v2(68.85,94.05) 67.33,94.05 v1(67.23,93.95) v1(66.11,93.95) v1(65.32,93.95) v1(63.96,93.95) v1(61.95,93.95) v1(60.24,93.95) v1(58.43,93.95) v1(57.54,93.06) 56.19,91.71 v1(56.17,91.71) v1(55.16,91.71) 54.98,91.71 54.83,91.56 49.22,91.56 47.03,93.75 v1(47.03,97.73) v1(47.03,99) v1(47.03,100.15) 47.03,102.05 47.06,102.08 47.03,102.1 47.03,102.43 44.83,104.63 v1(44.83,108.44) 45.25,108.86 v1(45.25,115.64) v1(45.25,118.18) v1(45.25,120.72) v1(45.25,123.47) ; 85.09,67.64 85.09,67.38 ; 85.09,67.64 85.09,67.94 ; 85.09,67.64 85.09,67.63 85.33,67.63 ; 85.09,67.38 85.33,67.63 ; C2350.2 78.76,119.51 v2(78.76,119.07) ; C2350.2 79.39,120.15 v2(79.39,120.59) ; C2350.2 79.39,119.52 v2(79.39,119.07) ; C2350.2 78.76,120.15 v2(78.76,120.59) ; v2(96.11,153.79) 96.44,153.79 C2406.2 96.59,153.03 v2(96.11,153.03) ; 56.01,94.32 56.16,94.47 56.39,94.47 v1(57.84,95.93) 57.99,95.78 60.09,95.78 v1(60.24,95.93) 60.39,95.78 61.99,95.78 v1(62.14,95.93) 62.29,95.78 65.17,95.78 ; 97.79,74.03 97.79,73.94 97.93,73.8 Y1300.2 ; 97.79,74.03 97.79,74.22 97.69,74.32 v1(97.62,74.32) ; 82.5,62.08 82.47,62.05 82.47,61.55 82.29,61.37 82.29,60.72 v1(82.3,60.71) ; v1(31.5,37.2) 31.41,37.12 31.41,36.27 v1(32.71,34.97) 33.82,33.85 v1(34.99,33.85) v1(40.07,33.85) 41.7,33.85 v1(42.48,34.64) 44.24,36.39 44.36,36.39 v1(44.49,36.52) ; v1(100.79,50.94) 100.79,50.93 v1(103.09,48.63) 108.31,43.41 v1(109.01,43.41) v1(110.66,43.41) v1(113.71,43.41) v1(122.63,43.41) 122.85,43.63 v1(125.14,43.63) v1(128.82,43.63) v1(132.25,43.63) v1(133.01,43.63) v1(134.28,43.63) v1(135.55,43.63) v1(137.58,43.63) 140.38,43.63 v1(140.5,43.76) 140.76,43.5 140.89,43.5 142.41,41.98 ; C6822.2 41.06,46.27 v1(41.06,46.55) v1(41.06,48.46) v1(41.06,53.28) v1(41.06,55.04) ; C6420.2 27.22,135.57 27.22,135.57 ; v2(73.04,122.12) 73.04,121.67 C2322.2 ; v1(65.73,65.35) 65.83,65.35 65.88,65.3 65.88,59.43 v1(65.7,59.25) ; v1(66.73,54.43) v1(67.36,53.8) 67.44,53.73 67.44,38.21 v1(66.03,36.81) v1(64.39,35.17) v1(60.64,31.42) v1(59.75,30.53) 56.64,27.42 v1(56.64,25.6) 56.64,23.35 58.66,21.34 v1(58.66,20.66) 58.66,19.83 58.21,19.38 57.55,19.38 v2(57.4,19.22) ; v1(24.13,65.7) 23.85,65.7 23.03,64.88 23.03,64.59 v1(22.77,64.33) 22.65,64.46 21.12,64.46 21,64.33 v1(20.87,64.33) v1(20.11,64.33) 19.98,64.46 18.24,64.46 v1(18.07,64.62) ; C2302.2 84.43,122.35 v2(84.43,121.73) ; C2302.2 83.84,122.94 v2(83.84,123.26) v2(83.84,124.02) v2(83.84,124.78) 83.84,125.23 84.16,125.55 ; C2302.2 83.79,122.01 v2(83.79,121.73) ; v2(61.22,160.35) v2(60.46,160.35) v2(58.93,160.35) v2(58.17,160.35) v2(57.41,160.35) 57.41,160.47 57.66,160.73 U2000.3 57.66,161.32 56.97,162.01 v2(56.73,162.01) v2(55.97,162.01) v2(55.21,162.01) 54.85,162.01 54.12,161.28 54.15,161.25 v2(55.21,161.25) v2(55.97,161.25) v2(56.73,161.25) ; C2014.2 50.71,132.06 v2(50.71,131.64) ; C2014.2 50.71,132.75 v2(50.71,133.17) v2(50.71,133.93) v2(50.71,134.69) v2(50.71,135.45) v2(50.71,136.22) 50.71,136.44 R2013.2 ; C2014.2 50.71,132.41 ; v1(30.39,51.38) 29.87,51.38 Y6800.4 ; v1(93.17,63.57) 93.17,63.62 93.51,63.97 ; v1(38.21,102.99) 38.16,102.93 R8012.2 ; v1(57.96,27.75) 57.4,27.18 57.4,25.18 ; v1(57.96,27.75) 59.73,29.51 59.73,29.54 ; 68.85,49.75 68.85,50.65 68.77,50.72 v1(68.77,51.25) v1(68.77,52.4) 68.85,52.48 68.85,54.19 v1(68.74,54.3) v1(67.68,55.36) 67.5,55.54 v1(67.5,57.35) v1(67.5,58.87) v1(67.5,61.09) 67.5,62.43 67.5,62.43 v1(67.5,64.59) 67.5,65.98 67.66,66.14 67.66,66.7 67.5,66.85 v1(67.5,68.87) 67.5,69.91 71.13,73.55 v1(71.13,74.49) ; 68.85,49.75 68.74,49.75 v1(68.44,49.45) ; 68.85,49.75 68.85,38.63 68.49,38.27 ; C2319.2 73.19,127.95 v2(73.19,128.57) 73.36,128.74 73.36,129.03 ; C2319.2 73.35,127.78 ; C2319.2 73.83,128.25 v2(73.83,128.57) 73.36,129.03 ; C2319.2 73.34,127.76 ; v1(20.51,104.47) 20.35,104.63 18.29,104.63 16.83,106.09 v1(16.83,108.71) 17.44,109.32 v1(17.44,111.96) 17.44,112.64 v1(18.05,113.25) v1(18.91,114.11) 19.06,114.26 v1(19.06,117.29) v1(19.06,118.56) v1(19.06,119.67) 19.06,124.78 v1(19.97,125.69) 21,126.72 v1(21,127.2) ; v1(119.8,127.45) 117.51,127.45 v1(117.39,127.33) 117.39,127.98 117.95,128.55 v1(119.31,128.55) 119.31,129.6 118.9,130 CON5000.16 ; 83.68,73.07 83.68,75.13 U1000.1M1 ; 83.68,73.07 83.88,72.86 83.88,72.6 83.78,72.5 ; 83.68,73.07 83.68,72.4 ; v1(70.97,84.41) v1(70.19,85.19) 69.88,85.49 63.76,85.49 63.56,85.3 v1(63.55,85.3) 63.55,85.07 58.45,79.97 58.09,79.97 v1(57.95,79.83) v1(56.43,78.3) v1(55.29,77.16) v1(53.13,75) v1(51.98,73.86) v1(50.84,72.72) v1(50.02,71.89) 49.44,71.32 v1(48.81,71.32) ; v1(159.07,40.54) v1(156.53,40.54) v1(153.33,40.54) v1(151.45,40.54) v1(148.12,40.54) v1(145.96,40.54) v1(143.83,40.54) 142.9,40.54 v1(142.49,40.95) 140.73,42.71 v1(139.99,42.71) v1(137.07,42.71) v1(134.66,42.71) v1(133.01,42.71) v1(132.25,42.71) v1(130.15,42.71) v1(127.61,42.71) v1(124.94,42.71) v1(122.6,42.71) v1(120.56,42.71) v1(117.13,42.71) v1(114.66,42.71) v1(112.12,42.71) v1(109.58,42.71) v1(107.92,42.71) 107.5,43.12 107.48,43.12 102.78,47.82 102.32,47.82 v1(102.15,48) ; C2339.2 75.99,139.36 ; C2339.2 76.49,138.97 v1(76.49,138.76) ; C2339.2 75.56,139.9 v2(75.3,139.9) ; 75.99,139.36 75.99,138.76 ; v1(99.14,72.8) 99.2,72.74 v1(100.24,72.74) 100.8,72.74 ; 99.02,99.72 99.02,100.7 v1(99.23,100.91) 99.02,101.12 99.02,107.81 v1(99.48,108.28) 99.48,108.53 ; C2348.2 78.76,124.08 v2(78.76,123.64) v2(78.76,122.12) 78.76,121.67 C2349.2 79.39,121.67 v2(79.39,122.12) v2(79.39,123.64) 79.39,124.09 C2348.2 ; C2348.2 79.39,124.72 v2(79.39,125.16) ; C2348.2 78.76,124.72 v2(78.76,125.16) ; 83.78,69.9 83.78,70.18 ; 83.78,69.9 83.78,69.67 ; 83.78,70.18 83.78,70.52 ; 83.78,70.18 84.2,69.76 ; v2(71.33,135.77) v2(71.87,135.77) 72.47,135.77 C2345.2 72.33,135.21 v2(71.87,135.21) v2(71.33,135.21) ; v1(137.78,70.82) v1(137.78,72.25) v1(137.78,73.54) 137.78,80.74 v1(138.11,81.07) v1(138.85,81.81) v1(139.64,82.6) v1(142.56,85.52) v1(143.41,86.37) 144.86,87.82 144.86,96.27 v1(144.03,97.1) ; 83.78,70.52 83.5,70.8 83.5,70.96 83.62,71.08 83.62,71.58 83.5,71.7 83.5,72.22 83.68,72.4 ; 83.78,70.52 84.2,70.1 84.2,69.76 ; v1(73.57,63.44) 73.53,63.49 73.53,69.71 74.61,70.8 v1(74.61,70.97) 74.7,71.06 74.88,71.06 74.89,71.07 75.49,71.07 76.72,72.29 76.72,72.5 77.92,73.7 77.92,74.11 ; 83.58,63.7 83.27,64.01 83.27,64.18 83.27,64.19 U3800.N4 ; 83.58,63.7 83.58,63.83 ; 83.58,63.7 83.58,63.39 82.92,62.73 ; v1(164.25,44.14) 164.12,44.27 164.12,46.3 163.87,46.55 163.87,46.68 163.62,46.93 161.97,46.93 v1(161.52,46.49) ; v1(82.34,100.15) 82.34,101.57 79.94,103.96 73.59,103.96 v1(73.47,104.08) ; 84.48,64.18 84.48,64.56 ; 84.48,64.18 84.24,63.95 ; 84.48,64.56 84.24,64.8 ; v1(96.05,154.88) 96.05,154.68 96.18,154.55 96.84,154.55 C2407.2 ; 76.88,99.26 76.88,100.53 76.49,100.91 ; 85.09,68.82 85.09,68.19 ; 85.09,68.19 85.02,68.12 85.02,68 85.09,67.94 ; 85.09,68.19 85.17,68.27 85.19,68.27 ; v2(146.1,25.4) C2414.2 ; v1(28.45,52.27) 28.98,52.27 Y6800.4 ; 73.34,127.76 73.21,127.88 v2(72.56,127.88) v2(71.8,127.88) ; 85.53,65.88 85.63,65.78 ; 85.63,65.78 85.85,65.56 ; 85.63,65.78 85.63,65.78 85.35,65.78 85.22,65.78 ; v1(76.11,62.88) 76.11,63.02 75.02,64.12 v1(74.88,64.12) ; 123.1,139.01 127.94,139.01 v1(128.05,139.12) ; 123.1,139.01 122.46,139.01 122.35,139.12 ; 123.1,139.01 v1(122.73,138.64) 122.73,138.63 122.88,138.48 C4709.2 R4762.2 122.88,137.46 v1(122.73,137.61) ; v1(143.32,96.59) 143.32,94.22 v1(143.59,93.96) 143.55,93.92 v1(143.55,92.91) 143.55,92.53 143.69,92.39 143.69,91.67 v1(143.47,91.45) 143.76,91.16 